# Altium PCB fullCURRENT smarts.PcbDoc (part 1 of 2)
Units mil, origin at the board's own origin, x right, y up, seen from the top; angles counter-clockwise.
Board outline 6000 x 1800 mil, 4 copper layers (Top Layer, PWR, GND, Bottom Layer), stack 62 mil thick; 183 components, 160 nets, 700 pads, 325 vias.
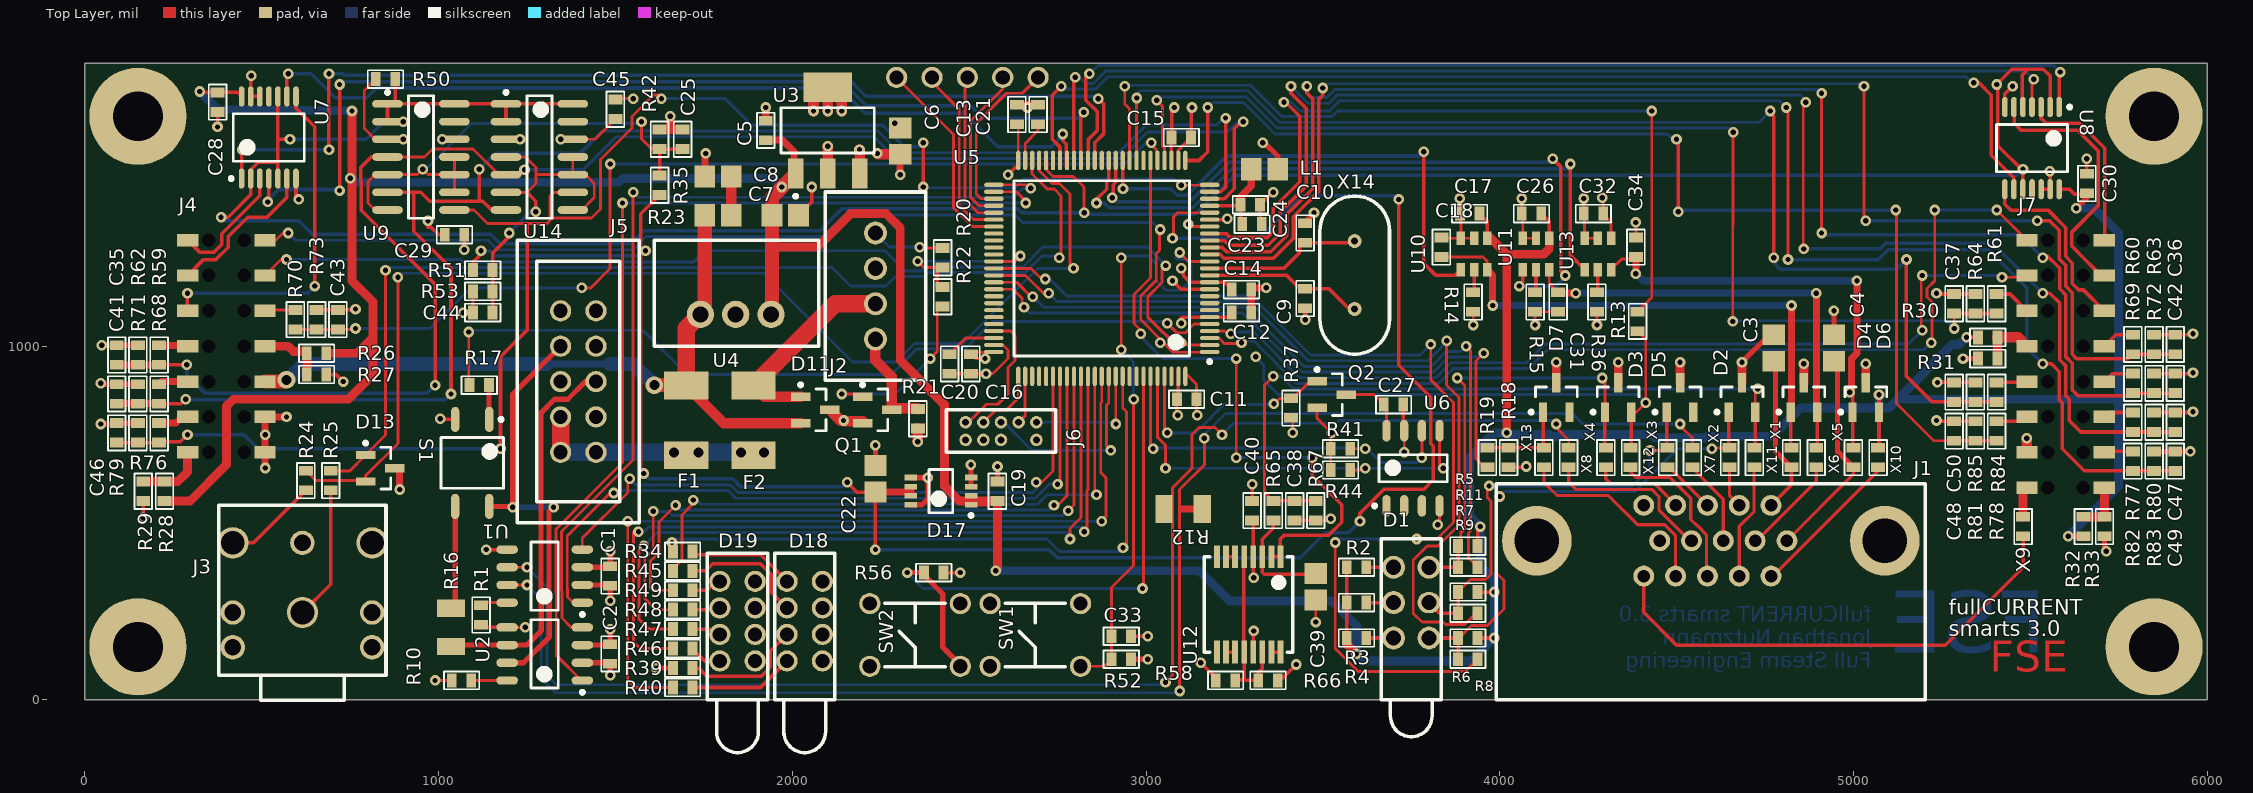
[diagram p0: Top Layer view]
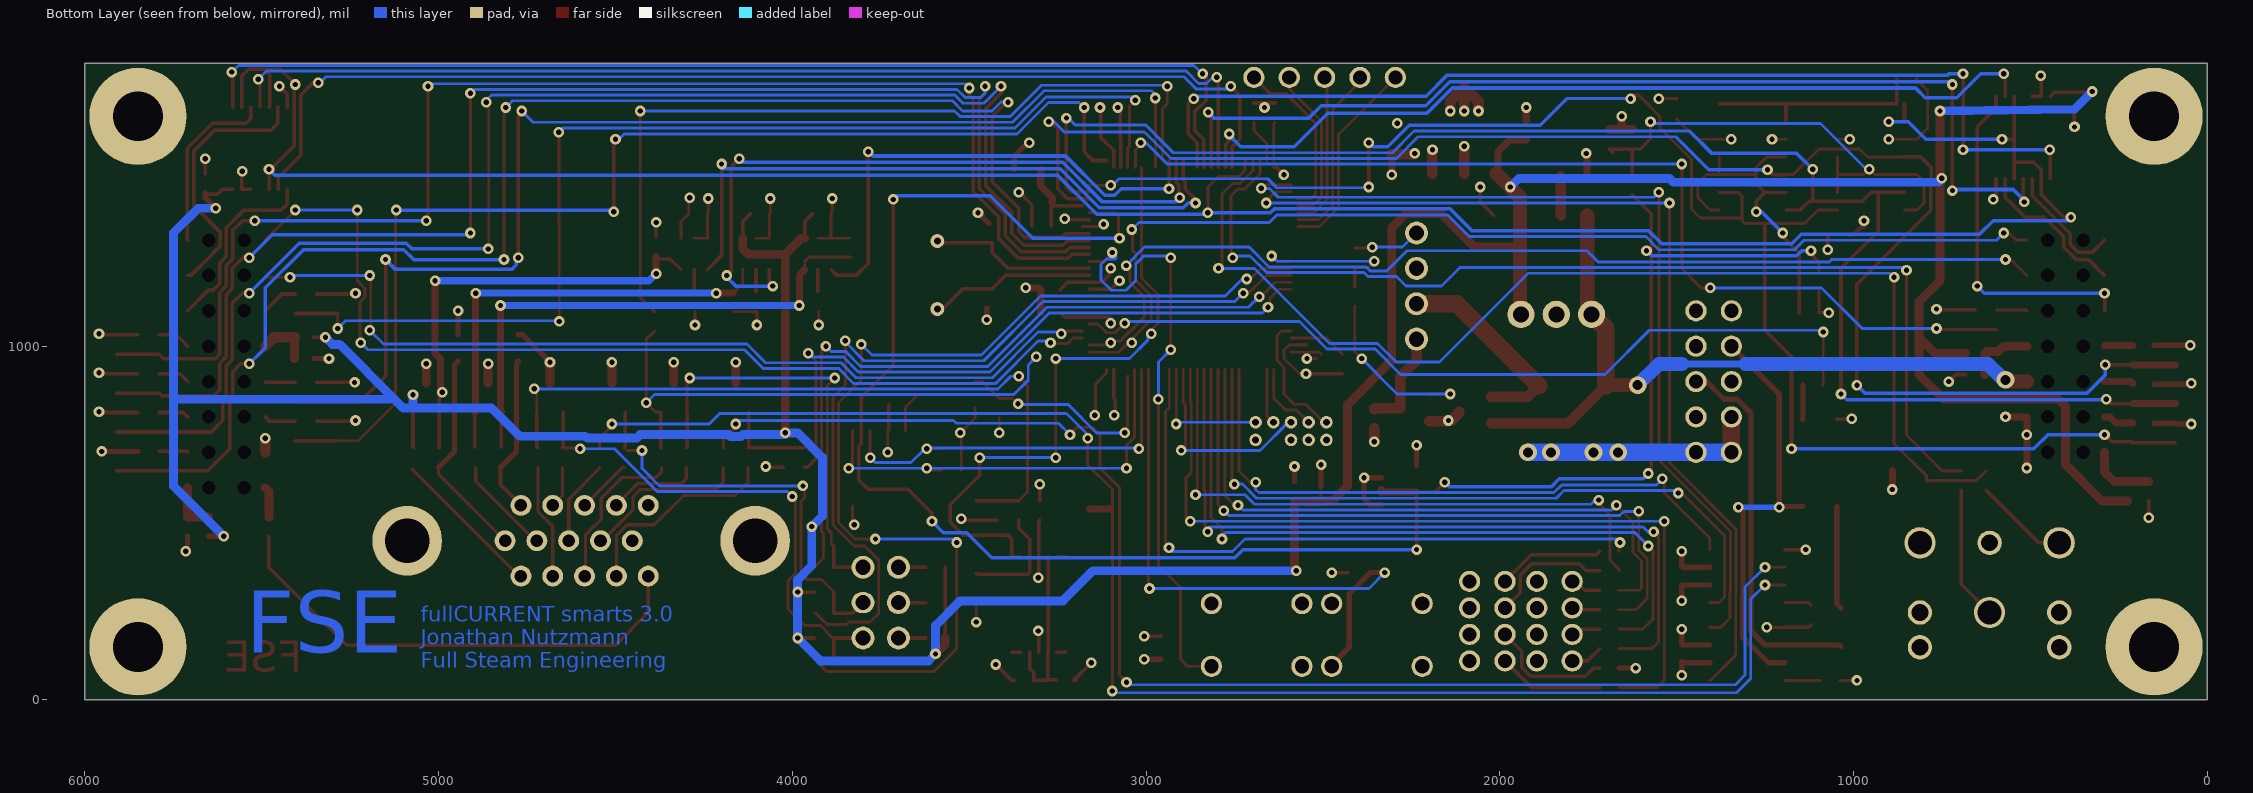
[diagram p1: Bottom Layer view, seen from below]
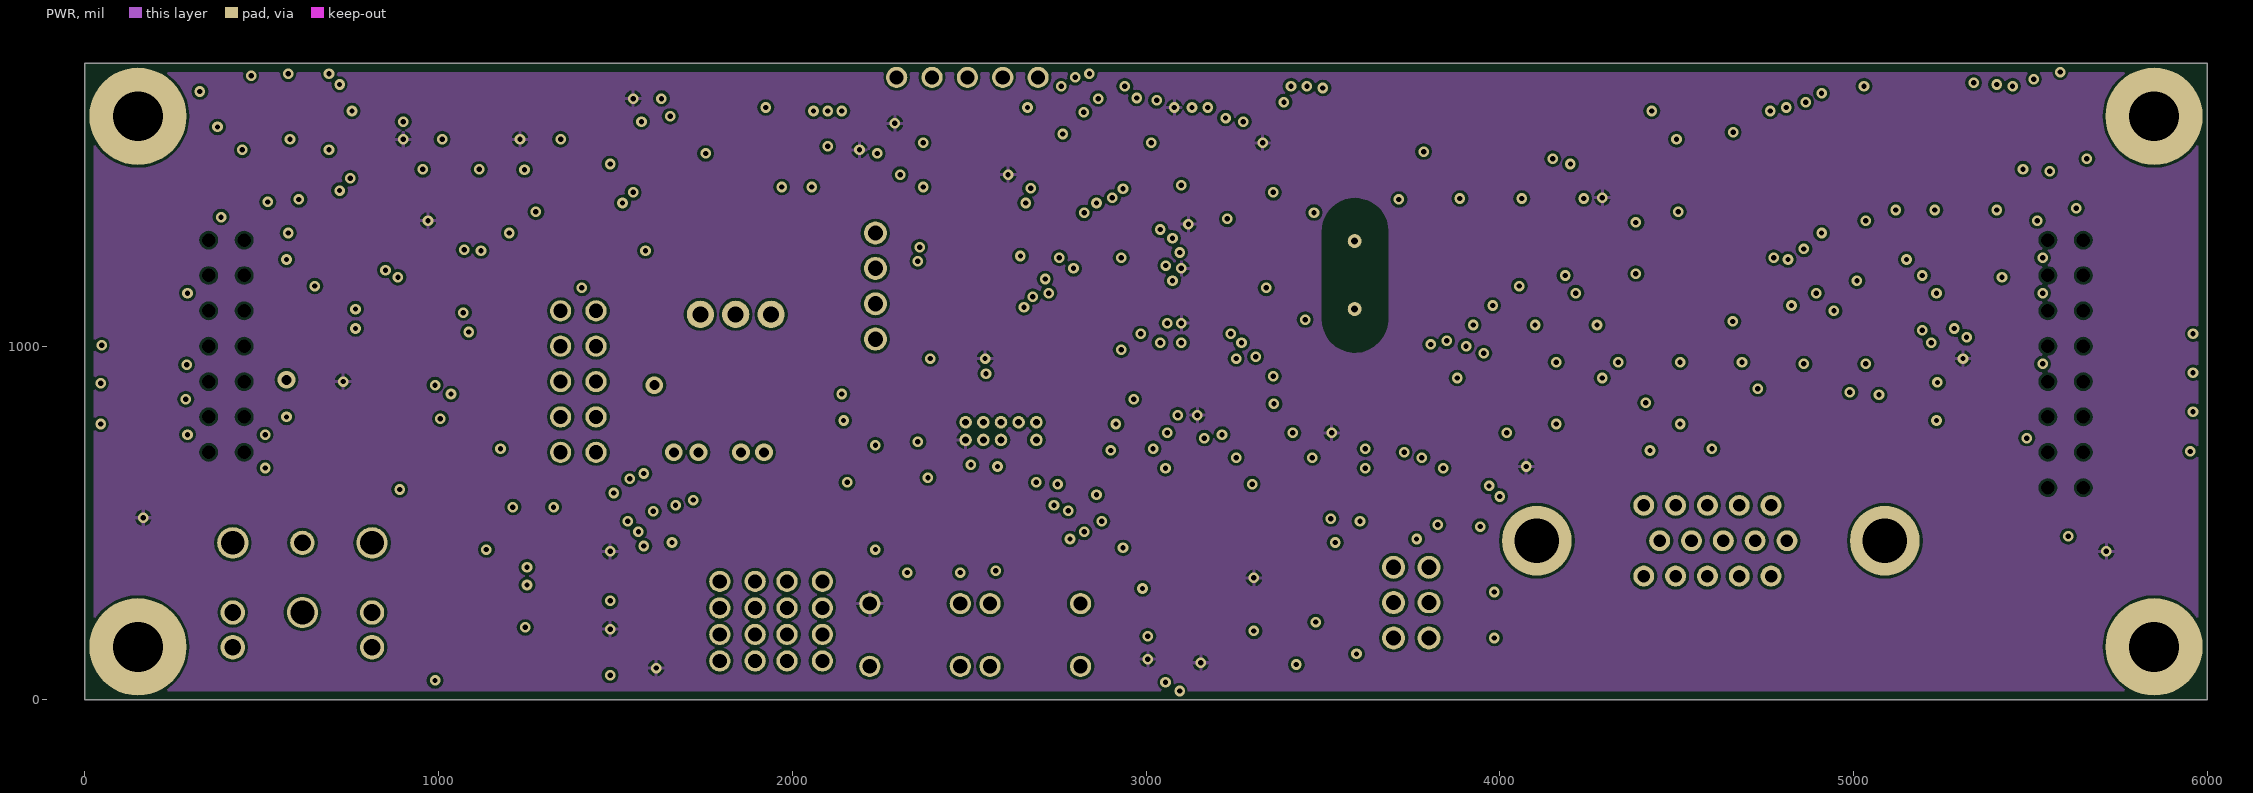
[diagram p2: PWR]
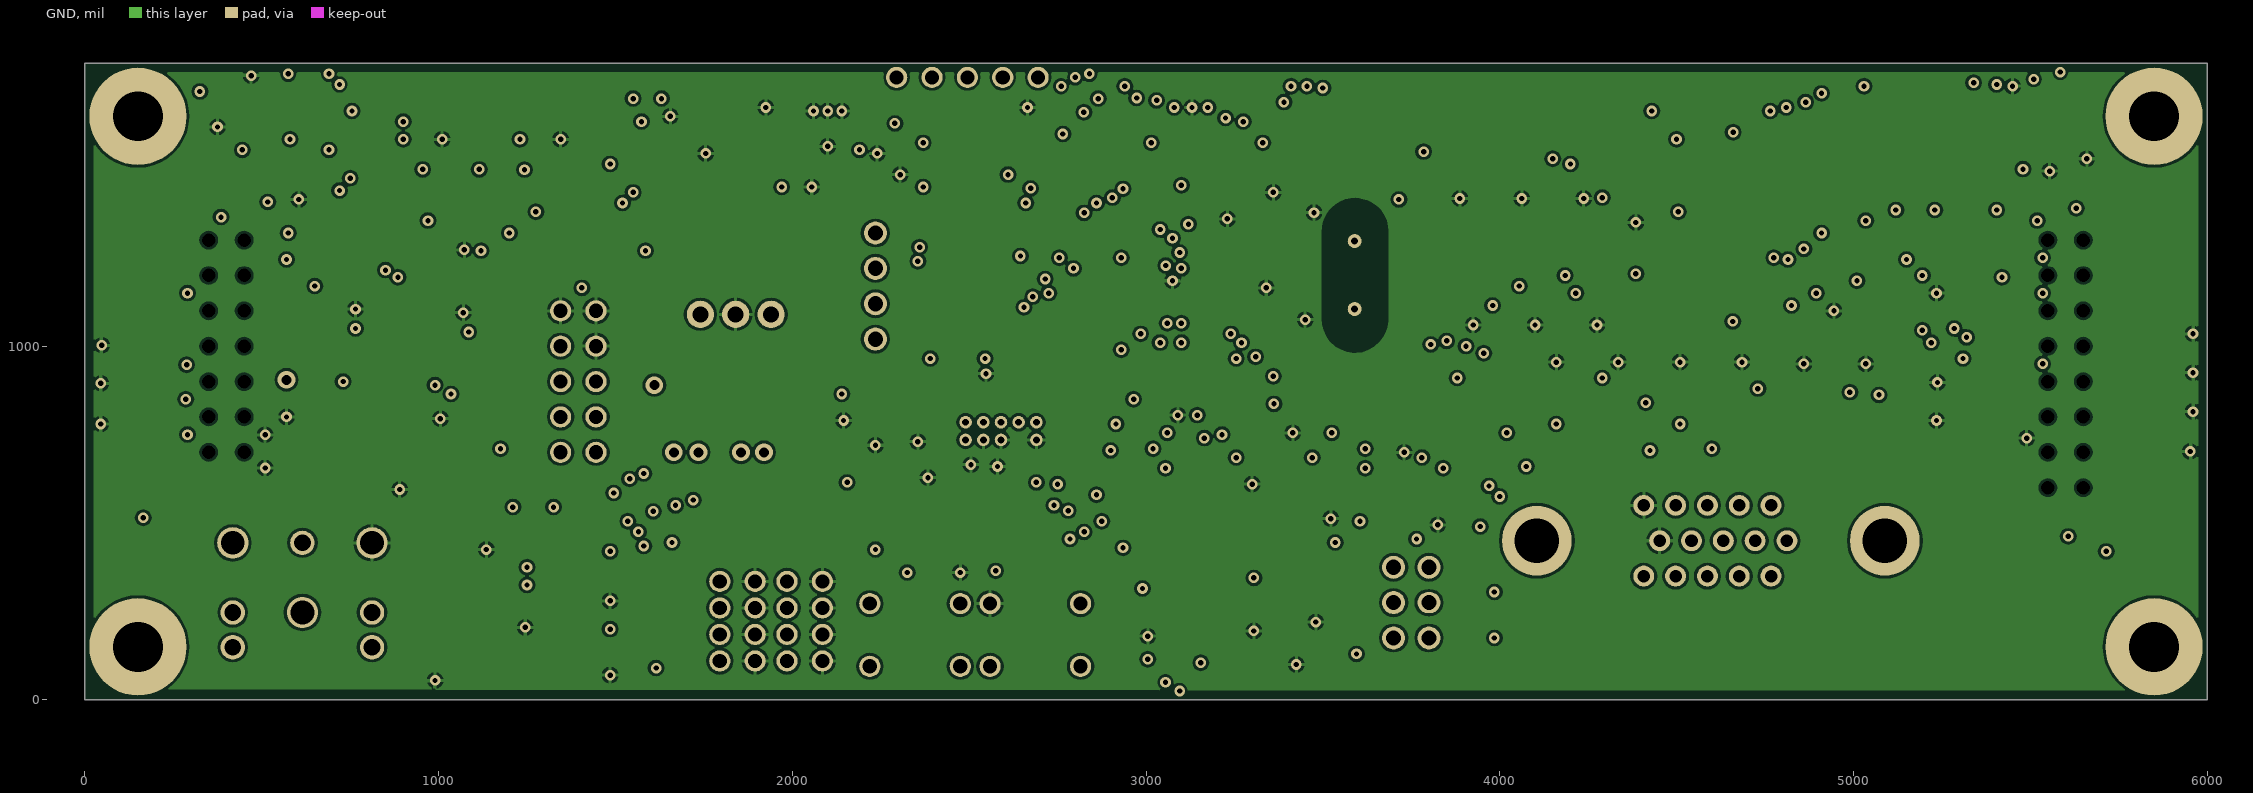
[diagram p3: GND]
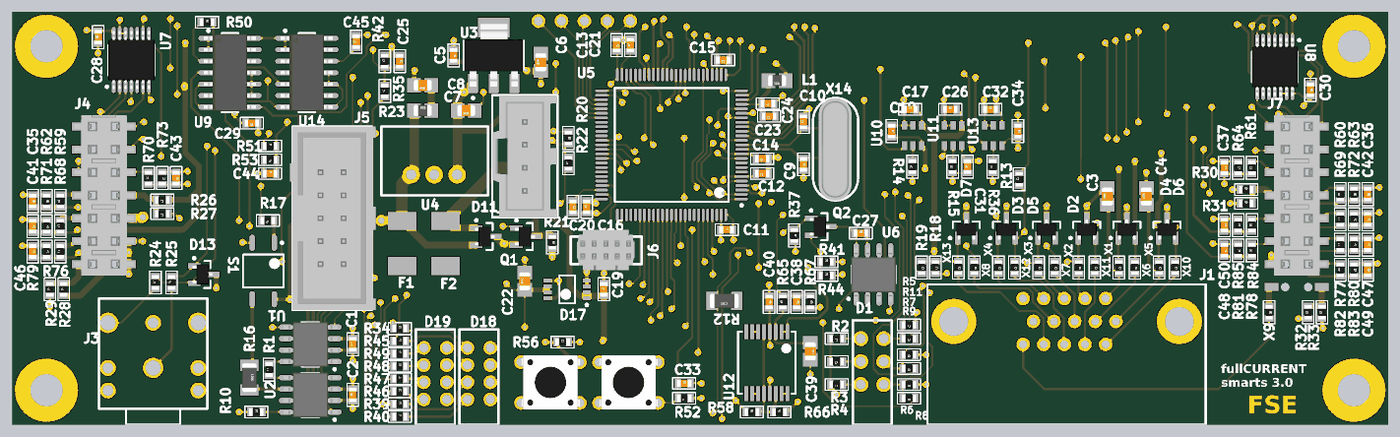
[diagram p5: 3D render of the assembled board from above, using the file's embedded part models]

## Layer stack, top to bottom
Top Layer: signal copper 1.4
Dielectric: core 21.9, FR-4, Dk 4.8
PWR: signal copper 1.4
Dielectric: prepreg 12.6, FR-4, Dk 4.8
GND: signal copper 1.4
Dielectric: core 21.9, FR-4, Dk 4.8
Bottom Layer: signal copper 1.4

## Board outline
0,0 6000,0 6000,1800 0,1800

## Design rules (kind name [scope] priority, off if disabled: settings)
Clearance inner [OnLayer('PWR') OR OnLayer('GND') vs OnLayer('PWR') OR OnLayer('GND')] p1: gap=10
Clearance "SMALL SPACING" [InComponent('J7') OR InComponent('J4') OR InComponent('U5') OR InComponent('U11') OR InComponent('U7') OR InComponent('U8') OR InComponent('D17') OR InComponent('U12')] p2: gap=7
Clearance Clearance_1 [All] p3: gap=8
HoleSize [All] p1: absolutevalues=TRUE maxlimit=1000 minlimit=15 maxpercent=80.000 minpercent=20.000
MinimumSolderMaskSliver [All] p1 off: minsoldermaskwidth=3
PolygonConnect [All] p1: connectstyle=Relief reliefconductorwidth=10 reliefentries=4 polygonreliefangle="90 Angle"
RoutingVias [All] p1: holewidth=15 width=30 viastyle="Through Hole" minholewidth=15 minwidth=30 maxholewidth=50 maxwidth=100
SilkToSilkClearance [All] p1: silktosilkclearance=1
SilkscreenOverComponentPads [All] p1: minsilkscreentomaskgap=1
SolderMaskExpansion [All] p1: expansion=4
Width [All] p1: maxlimit=1000 minlimit=8 preferedwidth=10
24 further rules are at their usual default settings.

## Classes and differential pairs
component class "fullCURRENT smarts micro": C9 C10 C11 C12 C13 C14 C15 C16 C19 C20 C21 C22 C23 C24 C25 C27 C28 C29 C30 C33 C35 C36 C37 C38 C39 C40 C41 C42 C43 C44 C45 C46 C47 C48 C49 D17 D18 D19 L1 R34 R35 R39 R40 R41 R42 R44 R45 R46 R47 R48 R49 R50 R51 R52 R53 R56 R58 R59 R60 R61 R62 R63 R64 R65 R66 R67 R68 R69 R70 R71 R72 R73 R76 R77 R78 R79 R80 R81 R82 R83 SW1 SW2 U5 U6 U7 U8 U9 U12 U14 X14
component class "fullCURRENT smarts comms": 40 C1 C2 C3 C4 C5 C6 C7 C8 C17 C18 C26 C31 C32 C34 D1 D2 D3 D4 D5 D6 D7 D11 D13 F1 F2 J1 J2 J3 J4 J5 J6 J7 Q1 R1 R2 R3 R4 R5 R6 R7 R8 R9 R10 R11 R12 R13 R14 R15 R16 R17 R18 R19 R20 R21 R22 R23 R24 R25 R26 R27 R28 R29 R30 R31 R32 R36 S1 U1 U2 U3 U4 U10 U11 U13 X1 X2 X3 X4 X5 X6 X7 X8 X9 X10 X11 X12 X13

## Components (designator, comment, footprint, x,y, rotation, side; value= is the part's Value field where it differs from the comment)
C1 "CAP 0603" 0603_cap 1485,350 r90 top
C2 "CAP 0603" 0603_cap 1485,130 r90 top
C3 "CAP 0805" 0805_Capacitor 4775,995 r90 top
C4 "CAP 0805" 0805_Capacitor 4945,995 r90 top
C5 "CAP 0603" 0603_cap 1925,1610 r270 top
C6 "CAP 0805" 0805_Capacitor 2305,1580 r90 top
C7 "CAP 0805" 0805_Capacitor 1980,1370 r180 top
C8 "CAP 10 uF 25V 0805" 0805_Capacitor 1790,1480 r180 top
C9 "CAP 0603" 0603_cap 3450,1135 r270 top
C10 "CAP 0603" 0603_cap 3450,1320 r90 top
C11 "CAP 0603" 0603_cap 3115,850 r0 top
C12 "CAP 0603" 0603_cap 3270,1095 r180 top
C13 "CAP 0603" 0603_cap 2635,1655 r270 top
C14 "CAP 0603" 0603_cap 3270,1160 r180 top
C15 "CAP 0603" 0603_cap 3100,1590 r180 top
C16 "CAP 0603" 0603_cap 2505,950 r90 top
C17 "CAP 0603" 0603_cap 3915,1375 r0 top
C18 "CAP 0603" 0603_cap 3835,1280 r270 top
C19 "CAP 0603" 0603_cap 2580,590 r90 top
C20 "CAP 0603" 0603_cap 2445,950 r270 top
C21 "CAP 0603" 0603_cap 2695,1655 r90 top
C22 "CAP 0805" 0805_Capacitor 2235,625 r90 top
C23 "CAP 0603" 0603_cap 3300,1345 r180 top
C24 "CAP 0603" 0603_cap 3295,1400 r180 top
C25 "CAP 0603" 0603_cap 1690,1585 r270 top
C26 "CAP 0603" 0603_cap 4090,1375 r0 top
C27 "CAP 0603" 0603_cap 3700,835 r0 top
C28 "CAP 0603" 0603_cap 375,1690 r90 top
C29 "CAP 0603" 0603_cap 1045,1315 r180 top
C30 "CAP 0603" 0603_cap 5660,1460 r270 top
C31 "CAP 0603" 0603_cap 4165,1125 r90 top
C32 "CAP 0603" 0603_cap 4265,1375 r0 top
C33 "CAP 0603" 0603_cap 2930,180 r0 top
C34 "CAP 0603" 0603_cap 4385,1280 r270 top
C35 "CAP 0603" 0603_cap 90,975 r270 top
C36 "CAP 0603" 0603_cap 5910,1005 r270 top
C37 "CAP 0603" 0603_cap 5285,1120 r270 top
C38 "CAP 0603" 0603_cap 3420,535 r270 top
C39 "CAP 0805" 0805_Capacitor 3480,320 r270 top
C40 "CAP 0603" 0603_cap 3300,535 r270 top
C41 "CAP 0603" 0603_cap 90,865 r270 top
C42 "CAP 0603" 0603_cap 5910,895 r270 top
C43 "CAP 0603" 0603_cap 715,1075 r270 top
C44 "CAP 0603" 0603_cap 1125,1095 r0 top
C45 "CAP 0603" 0603_cap 1500,1670 r90 top
C46 "CAP 0603" 0603_cap 90,755 r270 top
C47 "CAP 0603" 0603_cap 5910,785 r270 top
C48 "CAP 0603" 0603_cap 5285,760 r270 top
C49 "CAP 0603" 0603_cap 5910,675 r270 top
C50 "CAP 0603" 0603_cap 5285,870 r270 top
D1 "D_LED_3HIGH_BLUE" "DIALIGHT 564" 3800,175 r180 top
D2 "5.0V" SOT-23 4685,855 r90 top
D3 "5.0V" SOT-23 4335,855 r90 top
D4 "5.0V" SOT-23 4860,855 r90 top
D5 "5.0V" SOT-23 4510,855 r90 top
D6 "5.0V" SOT-23 5035,855 r90 top
D7 "5.0V" SOT-23 4160,855 r90 top
D11 "26V" SOT-23 2065,820 r0 top
D13 "3.3V" SOT-23 835,655 r0 top
D17 "D_LTC6655BHMS8-2.5#PBF" TSOP65P490X110-8N 2420,590 r180 top
D18 "D_LED_4HIGH_2GREEN_2YELLOW" "DIALIGHT 568" 2085,110 r180 top
D19 "D_LED_4HIGH_RED" "DIALIGHT 568" 1895,110 r180 top
F1 "F_2410" 2410 1700,790 r90 top
F2 "F_2410" 2410 1890,790 r90 top
J1 "DB15 HD" DB15HDF_RA 4105,450 r0 top locked
J2 "J_4 Wire Fan Connector" 0901361204 2235,1170 r0 top
J3 "J_SJ1-3523N" SJ1-3523N 615,70 r0 top
J4 "J_7x2_0.1_THRU_BD" HLE-107-02-X-DV 400,700 r0 top
J5 "J_5x2_0.1" 10PIN_2_.100IN 1345,700 r90 top
J6 "J_CORTEX_DEBUG" CORTEX_DEBUG 2490,735 r0 top
J7 "J_8x2_0.1_THRU_BD" HLE-108-02-X-DV 5600,700 r0 top
L1 "" 0805_Resistor 3335,1500 r180 top
Q1 "Q_IRLML6246TRPBF" SOT-23 2240,820 r0 top
Q2 "FDN302P" SOT-23 3525,863 r0 top
R1 "RES 0603" 0603_res 1120,240 r90 top
R2 "RES 0603" 0603_res 3595,375 r180 top
R3 "RES 0603" 0603_res 3595,275 r180 top
R4 "RES 0603" 0603_res 3595,175 r180 top
R5 "RES 0603" 0603_res 3910,435 r180 top
R6 "RES 0603" 0603_res 3910,175 r180 top
R7 "RES 0603" 0603_res 3910,305 r180 top
R8 "RES 0603" 0603_res 3910,115 r180 top
R9 "RES 0603" 0603_res 3910,245 r180 top
R10 "RES 0603" 0603_res 1065,55 r0 top
R11 "RES 0603" 0603_res 3910,375 r180 top
R12 "RES 1206" 1206_Resistor 3105,540 r180 top
R13 "RES 0603" 0603_res 4390,1070 r90 top
R14 "RES 0603" 0603_res 3925,1125 r90 top
R15 "RES 0603" 0603_res 4100,1125 r90 top
R16 "RES 1206" 1206_Resistor 1035,205 r270 top
R17 "RES 0603" 0603_res 1115,890 r180 top
R18 "RES 0603" 0603_res 4025,685 r270 top
R19 "RES 0603" 0603_res 3965,685 r270 top
R20 "RES 0603" 0603_res 2425,1250 r270 top
R21 "RES 0603" 0603_res 2355,795 r270 top
R22 "RES 0603" 0603_res 2425,1140 r90 top
R23 "R_0805_1_1%" 0805_Resistor 1790,1370 r0 top
R24 "RES 0603" 0603_res 625,620 r90 top
R25 "RES 0603" 0603_res 695,620 r90 top
R26 "RES 0603" 0603_res 655,980 r180 top
R27 "RES 0603" 0603_res 655,920 r180 top
R28 "RES 0603" 0603_res 225,590 r90 top
R29 "RES 0603" 0603_res 165,590 r90 top
R30 "RES 0603" 0603_res 5380,1025 r0 top
R31 "RES 0603" 0603_res 5380,965 r0 top
R32 "RES 0603" 0603_res 5650,490 r90 top
R33 "RES 0603" 0603_res 5710,490 r90 top
R34 "RES 0603" 0603_res 1690,420 r0 top
R35 "RES 0603" 0603_res 1625,1455 r90 top
R36 "RES 0603" 0603_res 4275,1125 r90 top
R37 "RES 0603" 0603_res 3410,825 r270 top
R39 "RES 0603" 0603_res 1690,90 r0 top
R40 "RES 0603" 0603_res 1690,35 r0 top
R41 "RES 0603" 0603_res 3550,710 r0 top
R42 "RES 0603" 0603_res 1625,1585 r90 top
R44 "RES 0603" 0603_res 3550,650 r0 top
R45 "RES 0603" 0603_res 1690,365 r0 top
R46 "RES 0603" 0603_res 1690,145 r0 top
R47 "RES 0603" 0603_res 1690,200 r0 top
R48 "RES 0603" 0603_res 1690,255 r0 top
R49 "RES 0603" 0603_res 1690,310 r0 top
R50 "RES 0603" 0603_res 850,1755 r0 top
R51 "RES 0603" 0603_res 1125,1215 r0 top
R52 "RES 0603" 0603_res 2930,115 r180 top
R53 "RES 0603" 0603_res 1125,1155 r180 top
R56 "RES 0603" 0603_res 2400,360 r0 top
R58 "RES 0603" 0603_res 3225,55 r0 top
R59 "RES 0603" 0603_res 210,975 r90 top
R60 "RES 0603" 0603_res 5790,1005 r90 top
R61 "RES 0603" 0603_res 5405,1120 r90 top
R62 "RES 0603" 0603_res 150,975 r270 top
R63 "RES 0603" 0603_res 5850,1005 r270 top
R64 "RES 0603" 0603_res 5345,1120 r270 top
R65 "RES 0603" 0603_res 3360,535 r90 top
R66 "RES 0603" 0603_res 3345,55 r0 top
R67 "RES 0603" 0603_res 3480,535 r270 top
R68 "RES 0603" 0603_res 210,865 r90 top
R69 "RES 0603" 0603_res 5790,895 r90 top
R70 "RES 0603" 0603_res 595,1075 r90 top
R71 "RES 0603" 0603_res 150,865 r270 top
R72 "RES 0603" 0603_res 5850,895 r270 top
R73 "RES 0603" 0603_res 655,1075 r270 top
R76 "RES 0603" 0603_res 210,755 r90 top
R77 "RES 0603" 0603_res 5790,785 r90 top
R78 "RES 0603" 0603_res 5405,760 r90 top
R79 "RES 0603" 0603_res 150,755 r270 top
R80 "RES 0603" 0603_res 5850,785 r270 top
R81 "RES 0603" 0603_res 5345,760 r270 top
R82 "RES 0603" 0603_res 5790,675 r90 top
R83 "RES 0603" 0603_res 5850,675 r270 top
R84 "RES 0603" 0603_res 5405,870 r90 top
R85 "RES 0603" 0603_res 5345,870 r270 top
S1 "S_PS7241E-1A-F3-A" 4SOP-GULL 1095,670 r270 top
SW1 "SW_TACT_SWITCH_6x6" TACT_SWITCH_6x6 2815,95 r90 top
SW2 "SW_TACT_SWITCH_6x6" TACT_SWITCH_6x6 2475,95 r90 top
U1 "U_SN65HVD233D" SOIC127P600X175-8N 1300,350 r180 top
U2 "U_SN65HVD233D" SOIC127P600X175-8N 1300,130 r180 top
U3 "U_MIC2920A-3.3WS" SOT-223 2100,1610 r0 top